# Altium PCB EDA-04211-V4_0_pcb.pcbdoc (part 4 of 12)
Units mm, origin at the board's own origin, x right, y up, seen from the top; angles counter-clockwise.
Board outline 304.8 x 128.5 mm, 14 copper layers (Top Layer, L2, L3GND, L4, L5GND, L6, L7GND, L8, L9GND, L10, L11GND, L12, L13GND, Bottom Layer), stack 4.06 mm thick; 143 components, 1224 nets, 5334 pads, 591 vias.
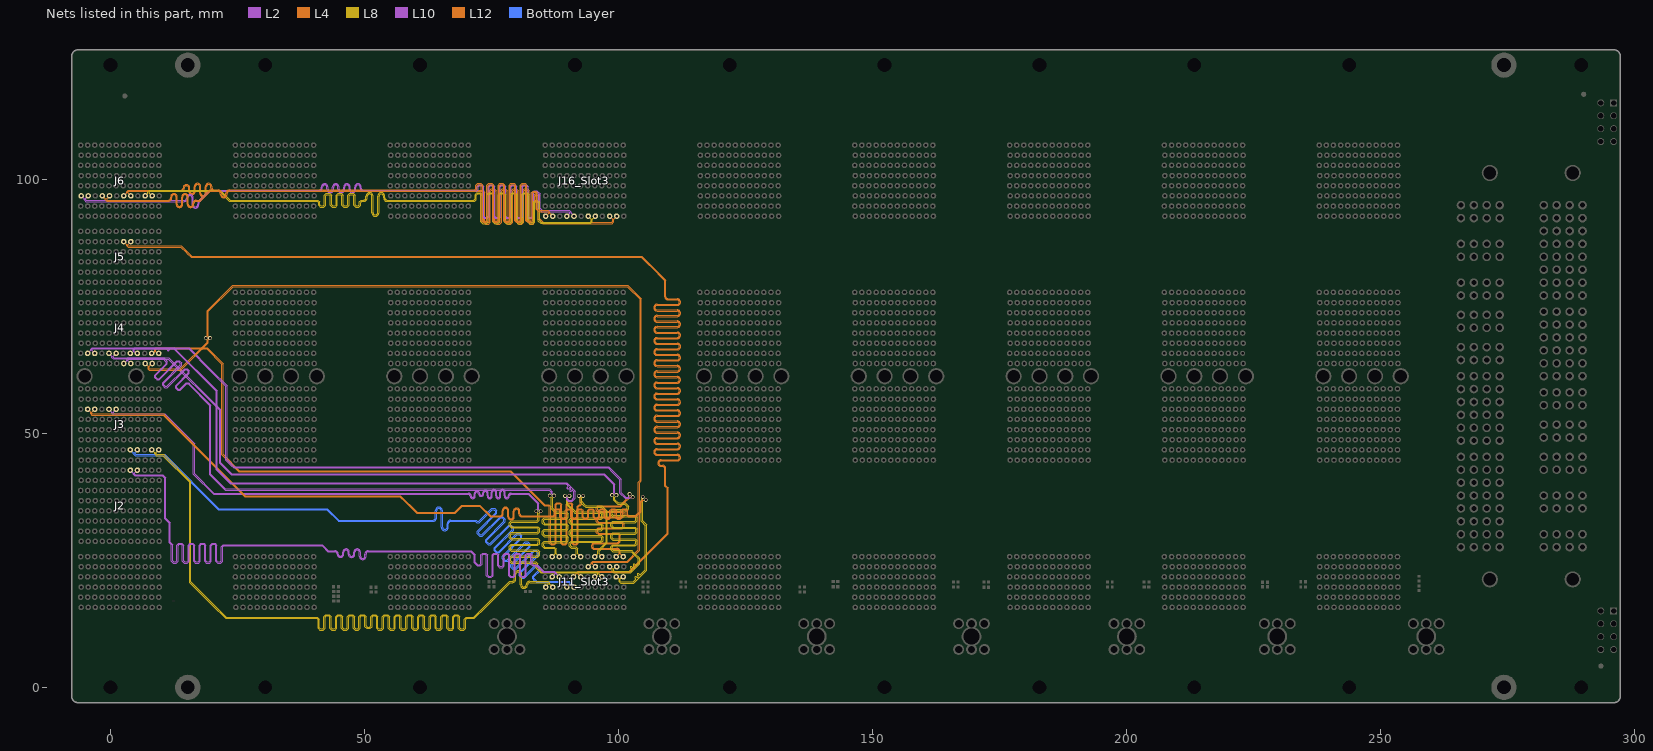
[diagram p16: the nets of this part, all layers, seen from the top]

## Via types
v1: diameter 0.75, hole 0.5, Top Layer to Bottom Layer, tented both sides, 549 vias
v2: diameter 0.85, hole 0.5, Top Layer to Bottom Layer, tented both sides, 32 vias
v3: diameter 1.3, hole 1, Top Layer to Bottom Layer, tented both sides, 10 vias

## Nets (pads, with @x,y where several pads share a name; then routed paths per layer and width w, separated by ;. In a path a pad name is that pad's centre, name@x,y a point inside that pad or via, vN(x,y) a via of type N, cw(c..) or ccw(c..) an arc to the next point about the centre after c; other vN are vias at no path point) (continued)
3_CLK_N: J5.H5 J11_Slot3.F4 | length 318
  L12 w0.102: J5.H5@4.02,87.75 3.434,87.164 3.434,87.031 3.564,86.902 13.96,86.902 15.99,84.872 104.636,84.872 109.342,80.166 109.342,77.1 109.342,76.934 ccw(c109.774,76.934) 109.774,76.502 111.585,76.502 cw(c111.585,75.841) 112.246,75.841 cw(c111.585,75.841) 111.585,75.18 107.6,75.18 ccw(c107.6,74.748) 107.168,74.748 ccw(c107.6,74.748) 107.6,74.316 111.585,74.316 cw(c111.585,73.655) 112.246,73.655 cw(c111.585,73.655) 111.585,72.994 107.6,72.994 ccw(c107.6,72.562) 107.168,72.562 ccw(c107.6,72.562) 107.6,72.13 111.585,72.13 cw(c111.585,71.469) 112.246,71.469 cw(c111.585,71.469) 111.585,70.808 107.6,70.808 ccw(c107.6,70.376) 107.168,70.376 ccw(c107.6,70.376) 107.6,69.944 111.585,69.944 cw(c111.585,69.283) 112.246,69.283 cw(c111.585,69.283) 111.585,68.622 107.6,68.622 ccw(c107.6,68.19) 107.168,68.19 ccw(c107.6,68.19) 107.6,67.758 111.585,67.758 cw(c111.585,67.097) 112.246,67.097 cw(c111.585,67.097) 111.585,66.436 107.6,66.436 ccw(c107.6,66.004) 107.168,66.004 ccw(c107.6,66.004) 107.6,65.572 111.585,65.572 cw(c111.585,64.911) 112.246,64.911 cw(c111.585,64.911) 111.585,64.25 107.6,64.25 ccw(c107.6,63.818) 107.168,63.818 ccw(c107.6,63.818) 107.6,63.386 111.585,63.386 cw(c111.585,62.725) 112.246,62.725 cw(c111.585,62.725) 111.585,62.064 107.6,62.064 ccw(c107.6,61.632) 107.168,61.632 ccw(c107.6,61.632) 107.6,61.2 111.585,61.2 cw(c111.585,60.539) 112.246,60.539 cw(c111.585,60.539) 111.585,59.878 107.6,59.878 ccw(c107.6,59.446) 107.168,59.446 ccw(c107.6,59.446) 107.6,59.014 111.585,59.014 cw(c111.585,58.353) 112.246,58.353 cw(c111.585,58.353) 111.585,57.692 107.6,57.692 ccw(c107.6,57.26) 107.168,57.26 ccw(c107.6,57.26) 107.6,56.828 111.585,56.828 cw(c111.585,56.167) 112.246,56.167 cw(c111.585,56.167) 111.585,55.506 107.6,55.506 ccw(c107.6,55.074) 107.168,55.074 ccw(c107.6,55.074) 107.6,54.642 111.585,54.642 cw(c111.585,53.981) 112.246,53.981 cw(c111.585,53.981) 111.585,53.32 107.6,53.32 ccw(c107.6,52.888) 107.168,52.888 ccw(c107.6,52.888) 107.6,52.456 111.585,52.456 cw(c111.585,51.795) 112.246,51.795 cw(c111.585,51.795) 111.585,51.134 107.6,51.134 ccw(c107.6,50.702) 107.168,50.702 ccw(c107.6,50.702) 107.6,50.27 111.585,50.27 cw(c111.585,49.609) 112.246,49.609 cw(c111.585,49.609) 111.585,48.948 107.6,48.948 ccw(c107.6,48.516) 107.168,48.516 ccw(c107.6,48.516) 107.6,48.084 111.585,48.084 cw(c111.585,47.423) 112.246,47.423 cw(c111.585,47.423) 111.585,46.762 107.6,46.762 ccw(c107.6,46.33) 107.168,46.33 ccw(c107.6,46.33) 107.6,45.898 111.585,45.898 cw(c111.585,45.237) 112.246,45.237 cw(c111.585,45.237) 111.585,44.576 108.409,44.576 ccw(c108.409,44.144) 107.977,44.144 ccw(c108.409,44.144) 108.409,43.712 108.681,43.712 cw(c108.681,43.051) 109.342,43.051 109.342,39.706 109.8,39.248 109.8,38.551 109.8,30.238 102.189,22.626 92.198,22.626 91.974,22.402 91.974,22.336 J11_Slot3.F4@92.56,21.75
3_CLK_P: J5.G5 J11_Slot3.E4 | length 318
  L12 w0.102: J5.G5@2.62,87.75 3.206,87.164 3.206,86.937 3.469,86.673 13.865,86.673 14.904,85.634 15.066,85.472 15.895,84.643 104.541,84.643 106.065,83.119 106.227,82.957 109.113,80.071 109.113,77.1 109.113,76.934 ccw(c109.774,76.934) 109.774,76.273 111.585,76.273 cw(c111.585,75.841) 112.017,75.841 cw(c111.585,75.841) 111.585,75.409 107.6,75.409 ccw(c107.6,74.748) 106.939,74.748 ccw(c107.6,74.748) 107.6,74.087 111.585,74.087 cw(c111.585,73.655) 112.017,73.655 cw(c111.585,73.655) 111.585,73.223 107.6,73.223 ccw(c107.6,72.562) 106.939,72.562 ccw(c107.6,72.562) 107.6,71.901 111.585,71.901 cw(c111.585,71.469) 112.017,71.469 cw(c111.585,71.469) 111.585,71.037 107.6,71.037 ccw(c107.6,70.376) 106.939,70.376 ccw(c107.6,70.376) 107.6,69.715 111.585,69.715 cw(c111.585,69.283) 112.017,69.283 cw(c111.585,69.283) 111.585,68.851 107.6,68.851 ccw(c107.6,68.19) 106.939,68.19 ccw(c107.6,68.19) 107.6,67.529 111.585,67.529 cw(c111.585,67.097) 112.017,67.097 cw(c111.585,67.097) 111.585,66.665 107.6,66.665 ccw(c107.6,66.004) 106.939,66.004 ccw(c107.6,66.004) 107.6,65.343 111.585,65.343 cw(c111.585,64.911) 112.017,64.911 cw(c111.585,64.911) 111.585,64.479 107.6,64.479 ccw(c107.6,63.818) 106.939,63.818 ccw(c107.6,63.818) 107.6,63.157 111.585,63.157 cw(c111.585,62.725) 112.017,62.725 cw(c111.585,62.725) 111.585,62.293 107.6,62.293 ccw(c107.6,61.632) 106.939,61.632 ccw(c107.6,61.632) 107.6,60.971 111.585,60.971 cw(c111.585,60.539) 112.017,60.539 cw(c111.585,60.539) 111.585,60.107 107.6,60.107 ccw(c107.6,59.446) 106.939,59.446 ccw(c107.6,59.446) 107.6,58.785 111.585,58.785 cw(c111.585,58.353) 112.017,58.353 cw(c111.585,58.353) 111.585,57.921 107.6,57.921 ccw(c107.6,57.26) 106.939,57.26 ccw(c107.6,57.26) 107.6,56.599 111.585,56.599 cw(c111.585,56.167) 112.017,56.167 cw(c111.585,56.167) 111.585,55.735 107.6,55.735 ccw(c107.6,55.074) 106.939,55.074 ccw(c107.6,55.074) 107.6,54.413 111.585,54.413 cw(c111.585,53.981) 112.017,53.981 cw(c111.585,53.981) 111.585,53.549 107.6,53.549 ccw(c107.6,52.888) 106.939,52.888 ccw(c107.6,52.888) 107.6,52.227 111.585,52.227 cw(c111.585,51.795) 112.017,51.795 cw(c111.585,51.795) 111.585,51.363 107.6,51.363 ccw(c107.6,50.702) 106.939,50.702 ccw(c107.6,50.702) 107.6,50.041 111.585,50.041 cw(c111.585,49.609) 112.017,49.609 cw(c111.585,49.609) 111.585,49.177 107.6,49.177 ccw(c107.6,48.516) 106.939,48.516 ccw(c107.6,48.516) 107.6,47.855 111.585,47.855 cw(c111.585,47.423) 112.017,47.423 cw(c111.585,47.423) 111.585,46.991 107.6,46.991 ccw(c107.6,46.33) 106.939,46.33 ccw(c107.6,46.33) 107.6,45.669 111.585,45.669 cw(c111.585,45.237) 112.017,45.237 cw(c111.585,45.237) 111.585,44.805 108.409,44.805 ccw(c108.409,44.144) 107.748,44.144 ccw(c108.409,44.144) 108.409,43.483 108.681,43.483 cw(c108.681,43.051) 109.113,43.051 109.113,39.612 109.571,39.154 109.571,38.551 109.571,30.333 102.094,22.855 92.103,22.855 91.746,22.497 91.746,22.336 J11_Slot3.E4@91.16,21.75
3_DIFF_0_N: J3.I2 J11_Slot3.E3 | length 173.6
  Bottom Layer w0.15: J3.I2@5.32,46.75 4.77,46.2 4.77,46.075 4.991,45.854 8.631,45.854 10.667,45.854 21.32,35.201 23.947,35.201 42.722,35.201 44.996,32.927 55.527,32.927 63.3,32.927 63.501,32.927 ccw(c63.501,33.383) 63.957,33.383 63.957,34.759 cw(c64.665,34.759) 65.373,34.759 65.373,31.558 ccw(c65.829,31.558) 66.285,31.558 66.285,32.219 cw(c66.993,32.219) 66.993,32.927 67.926,32.927 71.899,32.927 71.973,32.853 72.064,32.762 72.17,32.657 72.492,32.657 75.081,35.245 75.612,35.245 76.082,34.775 76.082,34.244 72.483,30.645 72.483,30.323 72.806,30 73.128,30 76.727,33.599 77.258,33.599 77.728,33.129 77.728,32.598 74.129,28.999 74.129,28.677 74.452,28.354 74.774,28.354 78.373,31.953 78.904,31.953 79.374,31.483 79.374,30.952 75.776,27.353 75.776,27.03 76.098,26.708 76.42,26.708 80.019,30.307 80.55,30.307 81.02,29.837 81.02,29.305 77.422,25.707 77.422,25.384 77.744,25.062 78.067,25.062 81.665,28.661 82.197,28.661 82.667,28.191 82.667,27.659 79.068,24.061 79.068,23.738 79.39,23.416 79.713,23.416 83.311,27.014 83.843,27.014 84.313,26.544 84.313,26.013 80.714,22.414 80.714,22.092 81.036,21.77 81.359,21.77 83.58,23.991 84.111,23.991 84.581,23.521 84.581,22.989 83.37,21.778 83.37,21.456 83.552,21.274 83.658,21.169 83.914,20.913 90.332,20.913 ; 90.359,20.886 90.72,20.525 90.72,20.29 J11_Slot3.E3@91.26,19.75
3_DIFF_0_P: J3.H2 J11_Slot3.D3 | length 173.7
  Bottom Layer w0.15: J3.H2@3.92,46.75 4.506,46.164 4.506,45.966 4.869,45.602 8.631,45.602 10.563,45.602 21.215,34.949 23.842,34.949 42.618,34.949 44.818,32.749 44.892,32.675 61.936,32.675 63.3,32.675 63.501,32.675 ccw(c63.501,33.383) 64.209,33.383 64.209,34.759 cw(c64.665,34.759) 65.121,34.759 65.121,31.558 ccw(c65.829,31.558) 66.537,31.558 66.537,32.219 cw(c66.993,32.219) 66.993,32.675 67.926,32.675 71.795,32.675 71.886,32.584 71.992,32.478 72.065,32.405 72.597,32.405 75.185,34.993 75.508,34.993 75.83,34.671 75.83,34.348 72.231,30.75 72.231,30.218 72.701,29.748 73.233,29.748 76.831,33.347 77.154,33.347 77.476,33.025 77.476,32.702 73.877,29.103 73.877,28.572 74.347,28.102 74.879,28.102 78.477,31.701 78.8,31.701 79.122,31.378 79.122,31.056 75.524,27.457 75.524,26.926 75.994,26.456 76.525,26.456 80.124,30.055 80.446,30.055 80.768,29.732 80.768,29.41 77.17,25.811 77.17,25.28 77.64,24.81 78.171,24.81 81.77,28.409 82.092,28.409 82.415,28.086 82.415,27.764 78.816,24.165 78.816,23.634 79.286,23.164 79.817,23.164 83.416,26.762 83.738,26.762 84.061,26.44 84.061,26.118 80.462,22.519 80.462,21.988 80.932,21.518 81.463,21.518 83.684,23.739 84.007,23.739 84.329,23.416 84.329,23.094 83.118,21.883 83.118,21.352 83.374,21.096 83.479,20.991 83.809,20.66 90.209,20.66 90.445,20.424 90.446,20.251 89.945,19.75 J11_Slot3.D3@89.86,19.75
3_DIFF_1_N: J3.L2 J11_Slot3.B3 | length 173.7
  L8 w0.12: J3.L2@9.52,46.75 8.963,46.193 8.963,46.094 9.169,45.888 9.951,45.888 10.454,45.888 15.86,40.482 15.86,20.742 20.279,16.323 22.768,13.833 38.315,13.833 40.759,13.833 41.138,13.455 41.138,11.768 41.358,11.547 41.799,11.547 42.02,11.768 42.02,13.94 42.398,14.318 43.063,14.318 43.442,13.94 43.442,11.768 43.662,11.547 44.103,11.547 44.324,11.768 44.324,13.94 44.702,14.318 45.367,14.318 45.746,13.94 45.746,11.768 45.966,11.547 46.407,11.547 46.628,11.768 46.628,13.94 47.006,14.318 47.671,14.318 48.05,13.94 48.05,11.768 48.27,11.547 48.711,11.547 48.932,11.768 48.932,13.94 49.31,14.318 49.975,14.318 50.354,13.94 50.354,12.087 50.574,11.867 51.015,11.867 51.236,12.087 51.236,13.94 51.615,14.318 52.279,14.318 52.658,13.94 52.658,11.768 52.878,11.547 53.319,11.547 53.54,11.768 53.54,13.94 53.919,14.318 54.583,14.318 54.962,13.94 54.962,11.768 55.182,11.547 55.623,11.547 55.844,11.768 55.844,13.94 56.223,14.318 56.887,14.318 57.266,13.94 57.266,11.768 57.486,11.547 57.927,11.547 58.148,11.768 58.148,13.94 58.527,14.318 59.191,14.318 59.57,13.94 59.57,11.768 59.79,11.547 60.231,11.547 60.452,11.768 60.452,13.94 60.831,14.318 61.495,14.318 61.874,13.94 61.874,11.768 62.094,11.547 62.535,11.547 62.756,11.768 62.756,13.94 63.135,14.318 63.799,14.318 64.178,13.94 64.178,11.768 64.398,11.547 64.839,11.547 65.06,11.768 65.06,13.94 65.439,14.318 66.103,14.318 66.482,13.94 66.482,11.768 66.702,11.547 67.143,11.547 67.364,11.768 67.364,13.94 67.743,14.318 68.407,14.318 68.786,13.94 68.786,11.768 69.006,11.547 69.447,11.547 69.668,11.768 69.668,13.455 70.047,13.833 70.297,13.833 71.526,13.833 73.589,15.897 78.587,20.895 78.904,20.895 79.099,20.895 ccw(c79.099,21.336) 79.54,21.336 79.54,22.234 cw(c80.251,22.234) 80.962,22.234 80.962,20.184 ccw(c81.403,20.184) 81.844,20.184 cw(c82.554,20.184) 82.554,20.895 83.828,20.895 84.761,20.895 86.207,20.895 86.495,20.607 86.495,20.315 J11_Slot3.B3@87.06,19.75
3_DIFF_1_P: J3.K2 J11_Slot3.A3 | length 173.7
  L8 w0.12: J3.K2@8.12,46.75 8.685,46.185 8.685,45.99 9.057,45.618 9.951,45.618 10.342,45.618 15.59,40.371 15.59,20.63 20.009,16.211 22.656,13.564 24.326,13.564 38.315,13.563 40.647,13.563 40.868,13.343 40.868,11.656 41.246,11.277 41.911,11.277 42.29,11.656 42.29,13.828 42.51,14.048 42.951,14.048 43.172,13.828 43.172,11.656 43.55,11.277 44.215,11.277 44.594,11.656 44.594,13.828 44.814,14.048 45.255,14.048 45.476,13.828 45.476,11.656 45.854,11.277 46.519,11.277 46.898,11.656 46.898,13.828 47.118,14.048 47.559,14.048 47.78,13.828 47.78,11.656 48.158,11.277 48.823,11.277 49.202,11.656 49.202,13.828 49.422,14.048 49.863,14.048 50.084,13.828 50.084,11.975 50.463,11.597 51.127,11.597 51.506,11.975 51.506,13.828 51.726,14.048 52.167,14.048 52.388,13.828 52.388,11.656 52.767,11.277 53.431,11.277 53.81,11.656 53.81,13.828 54.03,14.048 54.471,14.048 54.692,13.828 54.692,11.656 55.071,11.277 55.735,11.277 56.114,11.656 56.114,13.828 56.334,14.048 56.775,14.048 56.996,13.828 56.996,11.656 57.375,11.277 58.039,11.277 58.418,11.656 58.418,13.828 58.638,14.048 59.079,14.048 59.3,13.828 59.3,11.656 59.679,11.277 60.343,11.277 60.722,11.656 60.722,13.828 60.942,14.048 61.383,14.048 61.604,13.828 61.604,11.656 61.983,11.277 62.647,11.277 63.026,11.656 63.026,13.828 63.246,14.048 63.687,14.048 63.908,13.828 63.908,11.656 64.287,11.277 64.951,11.277 65.33,11.656 65.33,13.828 65.55,14.048 65.991,14.048 66.212,13.828 66.212,11.656 66.591,11.277 67.255,11.277 67.634,11.656 67.634,13.828 67.854,14.048 68.295,14.048 68.516,13.828 68.516,11.656 68.895,11.277 69.559,11.277 69.938,11.656 69.938,13.343 70.158,13.563 70.297,13.563 71.637,13.563 ; 71.637,13.564 73.859,15.785 78.698,20.625 78.904,20.625 79.099,20.625 ccw(c79.099,21.336) 79.81,21.336 79.81,22.234 cw(c80.251,22.234) 80.692,22.234 80.692,20.184 ccw(c81.403,20.184) 82.113,20.184 cw(c82.554,20.184) 82.554,20.625 83.828,20.625 84.761,20.625 86.095,20.625 86.225,20.495 86.225,20.315 J11_Slot3.A3@85.66,19.75
3_DIFF_2_N: J2.I8 J11_Slot3.C4 | length 173.7
  L2 w0.102: J2.I8@5.32,42.75 4.734,42.165 4.734,42.064 4.919,41.88 10.316,41.88 10.917,41.279 10.917,33.259 11.789,32.387 11.789,28.564 11.943,28.41 12.233,28.12 12.233,24.92 12.449,24.704 12.881,24.704 13.097,24.92 13.097,28.009 13.447,28.359 14.069,28.359 14.419,28.009 14.419,24.92 14.635,24.704 15.067,24.704 15.283,24.92 15.283,28.009 15.633,28.359 16.255,28.359 16.605,28.009 16.605,24.92 16.821,24.704 17.253,24.704 17.469,24.92 17.469,28.009 17.819,28.359 18.441,28.359 18.791,28.009 18.791,24.92 19.007,24.704 19.439,24.704 19.655,24.92 19.655,28.009 20.005,28.359 20.627,28.359 20.977,28.009 20.977,24.92 21.193,24.704 21.625,24.704 21.841,24.92 21.841,27.727 22.191,28.078 22.404,28.078 41.746,28.078 42.914,26.909 43.149,26.909 44.198,26.909 cw(c44.198,26.248) 44.859,26.248 ccw(c45.29,26.248) 45.29,25.816 ccw(c45.291,26.248) 45.722,26.248 45.722,26.59 cw(c46.383,26.59) 46.383,27.251 cw(c46.383,26.59) 47.044,26.59 47.044,26.223 ccw(c47.476,26.223) 47.476,25.791 ccw(c47.476,26.223) 47.908,26.223 47.908,26.59 cw(c48.569,26.59) 48.569,27.251 cw(c48.569,26.59) 49.23,26.59 49.23,25.809 ccw(c49.662,25.809) 49.662,25.377 ccw(c49.662,25.809) 50.094,25.809 50.094,26.248 cw(c50.755,26.248) 50.755,26.909 50.921,26.909 71.005,26.909 71.84,26.074 71.84,24.65 72.34,24.15 72.599,24.15 72.717,24.15 72.933,24.366 72.933,26.086 73.283,26.436 73.905,26.436 74.255,26.086 74.255,22.08 74.471,21.864 74.903,21.864 75.119,22.08 75.119,26.086 75.469,26.436 76.091,26.436 76.441,26.086 76.441,24.024 76.657,23.808 77.089,23.808 77.305,24.024 77.305,26.086 77.655,26.436 78.277,26.436 78.627,26.086 78.627,22.08 78.843,21.864 79.275,21.864 79.491,22.08 79.491,26.086 79.841,26.436 80.463,26.436 80.813,26.086 80.813,22.08 81.029,21.864 81.461,21.864 81.677,22.08 81.677,26.086 82.027,26.436 82.649,26.436 82.999,26.086 82.999,24.366 83.215,24.15 83.947,24.15 83.964,24.15 85.259,22.855 85.541,22.855 85.554,22.855 ccw(c85.66,23.75) 85.766,22.855 85.779,22.855 86.936,22.855 86.954,22.855 ccw(c87.06,23.75) 87.166,22.855 87.184,22.855 87.418,22.855 87.775,22.499 87.775,22.336 J11_Slot3.C4@88.36,21.75
3_DIFF_2_P: J2.H8 J11_Slot3.B4 | length 173.7
  L2 w0.102: J2.H8@3.92,42.75 4.506,42.165 4.506,41.969 4.824,41.651 10.221,41.651 10.536,41.336 10.688,41.184 10.688,33.164 11.56,32.292 11.56,28.469 11.84,28.189 12.004,28.025 12.004,24.825 12.354,24.475 12.976,24.475 13.326,24.825 13.326,27.914 13.542,28.13 13.974,28.13 14.19,27.914 14.19,24.825 14.54,24.475 15.162,24.475 15.512,24.825 15.512,27.914 15.728,28.13 16.16,28.13 16.376,27.914 16.376,24.825 16.726,24.475 17.348,24.475 17.698,24.825 17.698,27.914 17.914,28.13 18.346,28.13 18.562,27.914 18.562,24.825 18.912,24.475 19.534,24.475 19.884,24.825 19.884,27.914 20.1,28.13 20.532,28.13 20.748,27.914 20.748,24.825 21.098,24.475 21.72,24.475 22.07,24.825 22.07,27.633 22.286,27.849 22.404,27.849 41.651,27.849 42.819,26.68 43.149,26.68 44.198,26.68 cw(c44.198,26.248) 44.63,26.248 ccw(c45.29,26.248) 45.29,25.587 ccw(c45.291,26.248) 45.951,26.248 45.951,26.59 cw(c46.383,26.59) 46.383,27.022 cw(c46.383,26.59) 46.815,26.59 46.815,26.223 ccw(c47.476,26.223) 47.476,25.562 ccw(c47.476,26.223) 48.137,26.223 48.137,26.59 cw(c48.569,26.59) 48.569,27.022 cw(c48.569,26.59) 49.001,26.59 49.001,25.809 ccw(c49.662,25.809) 49.662,25.148 ccw(c49.662,25.809) 50.323,25.809 50.323,26.248 cw(c50.755,26.248) 50.755,26.68 50.921,26.68 70.91,26.68 71.611,25.979 71.611,24.555 72.245,23.921 72.599,23.921 72.812,23.921 73.162,24.271 73.162,25.991 73.378,26.207 73.81,26.207 74.026,25.991 74.026,21.985 74.376,21.635 74.998,21.635 75.348,21.985 75.348,25.991 75.564,26.207 75.996,26.207 76.212,25.991 76.212,23.929 76.562,23.579 77.184,23.579 77.534,23.929 77.534,25.991 77.75,26.207 78.182,26.207 78.398,25.991 78.398,21.985 78.748,21.635 79.37,21.635 79.72,21.985 79.72,25.991 79.936,26.207 80.368,26.207 80.584,25.991 80.584,21.985 80.934,21.635 81.556,21.635 81.906,21.985 81.906,25.991 82.122,26.207 82.554,26.207 82.77,25.991 82.77,24.271 83.12,23.921 83.869,23.921 83.947,23.843 85.164,22.626 85.541,22.626 ccw(c85.66,23.75) 85.779,22.626 86.941,22.626 ccw(c87.06,23.75) 87.179,22.626 87.323,22.626 87.545,22.404 87.545,22.336 J11_Slot3.B4@86.96,21.75
3_DIFF_3_N: J3.C6 J11_Slot3.L4 | length 171.6
  L4 w0.102: J3.C6@-3.08,54.75 -3.665,54.164 -3.665,53.914 -3.594,53.843 10.476,53.843 10.721,53.598 26.564,37.755 57.094,37.755 60.37,34.479 67.769,34.479 69.14,35.85 72.75,35.85 74.821,33.779 76.514,33.779 76.68,33.779 ccw(c76.68,34.211) 77.112,34.211 77.112,34.802 cw(c77.773,34.802) 77.773,35.463 cw(c77.773,34.802) 78.434,34.802 78.434,33.615 ccw(c78.866,33.615) 78.866,33.183 ccw(c78.866,33.615) 79.298,33.615 79.298,34.626 cw(c79.959,34.626) 79.959,35.287 cw(c79.959,34.626) 80.62,34.626 80.62,34.211 ccw(c81.052,34.211) 81.052,33.779 82.882,33.779 87.047,33.779 87.165,33.779 87.381,33.995 87.381,34.859 87.732,35.209 88.353,35.209 88.703,34.859 88.703,33.539 88.919,33.323 89.351,33.323 89.567,33.539 89.567,34.859 89.918,35.209 90.539,35.209 90.889,34.859 90.889,33.539 91.105,33.323 91.537,33.323 91.753,33.539 91.753,34.859 92.104,35.209 92.725,35.209 93.075,34.859 93.075,33.539 93.291,33.323 93.723,33.323 93.939,33.539 93.939,34.859 94.289,35.209 94.911,35.209 95.261,34.859 95.261,33.539 95.477,33.323 95.909,33.323 96.125,33.539 96.125,34.859 96.475,35.209 97.097,35.209 97.447,34.859 97.447,33.539 97.663,33.323 98.095,33.323 98.311,33.539 98.311,34.859 98.661,35.209 99.283,35.209 99.633,34.859 99.633,33.539 99.849,33.323 100.281,33.323 100.497,33.539 100.497,34.859 100.847,35.209 101.469,35.209 101.819,34.859 101.819,33.995 102.035,33.779 103.336,33.779 104.267,34.71 104.267,36.541 104.75,37.024 104.75,37.465 v1(104.778,37.493)
  L8 w0.12: J11_Slot3.L4@100.96,21.75 100.763,21.75 100.395,21.382 100.395,20.932 100.578,20.749 102.894,20.749 103.12,20.975 103.334,21.189 ccw(c103.202,21.321) 103.334,21.454 103.293,21.495 cw(c103.425,21.628) 103.293,21.76 cw(c103.425,21.628) 103.557,21.76 103.599,21.718 ccw(c103.731,21.85) 103.863,21.718 ccw(c103.731,21.85) 103.863,21.983 103.768,22.077 cw(c103.901,22.21) 103.768,22.342 cw(c103.901,22.21) 104.033,22.342 104.128,22.247 ccw(c104.26,22.379) 104.392,22.247 104.699,22.554 105.328,23.183 105.328,31.856 104.475,32.709 104.475,36.778 104.711,37.014 104.711,37.426 v1(104.778,37.493)
3_DIFF_3_P: J3.B6 J11_Slot3.K4 | length 171.6
  L4 w0.102: J3.B6@-4.48,54.75 -3.895,54.164 -3.895,53.819 -3.689,53.614 10.381,53.614 26.469,37.526 56.999,37.526 57.907,36.618 60.275,34.25 67.864,34.25 69.235,35.621 72.655,35.621 74.726,33.55 76.514,33.55 76.68,33.55 ccw(c76.68,34.211) 77.341,34.211 77.341,34.802 cw(c77.773,34.802) 77.773,35.234 cw(c77.773,34.802) 78.205,34.802 78.205,33.615 ccw(c78.866,33.615) 78.866,32.954 ccw(c78.866,33.615) 79.527,33.615 79.527,34.626 cw(c79.959,34.626) 79.959,35.058 cw(c79.959,34.626) 80.391,34.626 80.391,34.211 ccw(c81.052,34.211) 81.052,33.55 82.882,33.55 87.047,33.55 87.26,33.55 87.61,33.9 87.61,34.764 87.826,34.98 88.258,34.98 88.474,34.764 88.474,33.444 88.825,33.094 89.446,33.094 89.796,33.444 89.796,34.764 90.012,34.98 90.444,34.98 90.66,34.764 90.66,33.444 91.011,33.094 91.632,33.094 91.982,33.444 91.982,34.764 92.198,34.98 92.63,34.98 92.846,34.764 92.846,33.444 93.197,33.094 93.818,33.094 94.168,33.444 94.168,34.764 94.384,34.98 94.816,34.98 95.032,34.764 95.032,33.444 95.382,33.094 96.004,33.094 96.354,33.444 96.354,34.764 96.57,34.98 97.002,34.98 97.218,34.764 97.218,33.444 97.568,33.094 98.19,33.094 98.54,33.444 98.54,34.764 98.756,34.98 99.188,34.98 99.404,34.764 99.404,33.444 99.754,33.094 100.376,33.094 100.726,33.444 100.726,34.764 100.942,34.98 101.374,34.98 101.59,34.764 101.59,33.9 101.94,33.55 103.336,33.55 103.431,33.55 104.496,34.615 104.496,36.446 104.912,36.862 105.353,36.862 v1(105.38,36.89)
  L8 w0.12: J11_Slot3.K4@99.56,21.75 99.757,21.75 100.125,21.382 100.125,20.82 100.466,20.479 103.006,20.479 105.598,23.072 105.598,31.968 104.745,32.821 104.745,36.666 104.902,36.824 105.314,36.824 v1(105.38,36.89)
3_DIFF_4_N: J3.F6 J11_Slot3.I4 | length 173.3
  L8 w0.12: v1(84.678,34.656) 84.678,34.562 84.387,34.271 84.387,33.604 84.387,32.917 84.009,32.539 78.997,32.539 78.777,32.318 78.777,31.877 78.997,31.657 84.091,31.657 84.47,31.278 84.47,30.614 84.091,30.235 78.997,30.235 78.777,30.015 78.777,29.574 78.997,29.353 84.091,29.353 84.47,28.975 84.47,28.31 84.091,27.931 78.997,27.931 78.777,27.711 78.777,27.27 78.997,27.049 84.091,27.049 84.47,26.671 84.47,26.006 84.091,25.628 78.997,25.628 78.777,25.407 78.777,24.966 78.997,24.746 83.741,24.746 84.119,24.367 84.119,24.116 84.119,23.539 84.859,22.8 86.355,22.8 95.961,22.8 96.195,22.566 96.195,22.315 J11_Slot3.I4@96.76,21.75
  L10 w0.102: J3.F6@1.12,54.75 0.534,54.164 0.534,54.037 0.728,53.843 10.71,53.843 16.581,47.972 16.581,42.047 20.391,38.238 68.269,38.238 70.474,38.238 cw(c70.474,37.704) 71.008,37.704 ccw(c71.313,37.704) 71.313,37.399 ccw(c71.313,37.704) 71.618,37.704 71.618,38.123 cw(c72.152,38.123) 72.152,38.657 cw(c72.152,38.123) 72.686,38.123 ccw(c72.991,38.123) 72.991,37.818 ccw(c72.991,38.123) 73.296,38.123 73.296,38.263 cw(c73.83,38.263) 73.83,38.797 cw(c73.83,38.263) 74.364,38.263 74.364,37.676 ccw(c74.669,37.676) 74.669,37.371 ccw(c74.669,37.676) 74.974,37.676 74.974,38.416 cw(c75.508,38.416) 75.508,38.95 cw(c75.508,38.416) 76.042,38.416 76.042,37.676 ccw(c76.347,37.676) 76.347,37.371 ccw(c76.347,37.676) 76.652,37.676 76.652,38.416 cw(c77.186,38.416) 77.186,38.95 cw(c77.186,38.416) 77.72,38.416 77.72,37.676 ccw(c78.025,37.676) 78.025,37.371 ccw(c78.025,37.676) 78.33,37.676 78.33,37.704 cw(c78.864,37.704) 78.864,38.238 79.03,38.238 82.318,38.238 84.099,36.457 ; 84.099,36.457 84.367,36.189 84.367,35.007 84.678,34.695 v1(84.678,34.656)
3_DIFF_4_P: J3.E6 J11_Slot3.H4 | length 173.3
  L8 w0.12: v1(83.826,34.656) 83.826,34.562 84.117,34.271 84.117,33.604 84.117,33.029 83.897,32.809 78.885,32.809 78.507,32.43 78.507,31.765 78.885,31.387 83.979,31.387 84.2,31.166 84.2,30.725 83.979,30.505 78.885,30.505 78.507,30.126 78.507,29.462 78.885,29.083 83.979,29.083 84.2,28.863 84.2,28.422 83.979,28.201 78.885,28.201 78.507,27.823 78.507,27.158 78.885,26.78 83.979,26.78 84.2,26.559 84.2,26.118 83.979,25.898 78.885,25.898 78.507,25.519 78.507,24.854 78.885,24.476 83.629,24.476 83.85,24.255 83.85,24.116 83.85,23.427 84.747,22.53 86.355,22.53 95.849,22.53 95.925,22.454 95.925,22.315 J11_Slot3.H4@95.36,21.75
  L10 w0.102: J3.E6@-0.28,54.75 0.306,54.164 0.306,53.942 0.633,53.614 10.615,53.614 16.352,47.877 16.352,41.952 20.296,38.009 68.269,38.009 70.474,38.009 cw(c70.474,37.704) 70.779,37.704 ccw(c71.313,37.704) 71.313,37.17 ccw(c71.313,37.704) 71.847,37.704 71.847,38.123 cw(c72.152,38.123) 72.152,38.428 cw(c72.152,38.123) 72.457,38.123 ccw(c72.991,38.123) 72.991,37.589 ccw(c72.991,38.123) 73.525,38.123 73.525,38.263 cw(c73.83,38.263) 73.83,38.568 cw(c73.83,38.263) 74.135,38.263 74.135,37.676 ccw(c74.669,37.676) 74.669,37.142 ccw(c74.669,37.676) 75.203,37.676 75.203,38.416 cw(c75.508,38.416) 75.508,38.721 cw(c75.508,38.416) 75.813,38.416 75.813,37.676 ccw(c76.347,37.676) 76.347,37.142 ccw(c76.347,37.676) 76.881,37.676 76.881,38.416 cw(c77.186,38.416) 77.186,38.721 cw(c77.186,38.416) 77.491,38.416 77.491,37.676 ccw(c78.025,37.676) 78.025,37.142 ccw(c78.025,37.676) 78.559,37.676 78.559,37.704 cw(c78.864,37.704) 78.864,38.009 79.03,38.009 82.224,38.009 84.004,36.228 84.138,36.094 84.138,35.007 83.826,34.695 v1(83.826,34.656)
3_DIFF_5_N: J4.H1 J11_Slot3.K5 | length 173.3
  L8 w0.12: v1(98.761,37.848) 98.761,37.754 99.052,37.463 99.052,36.856 99.834,36.074 99.858,36.05 101.24,36.05 101.74,35.55 101.74,35.238 101.52,35.017 98.919,35.017 98.54,34.639 98.54,33.974 98.919,33.596 103.193,33.596 103.413,33.375 103.413,32.934 103.193,32.714 98.919,32.714 98.54,32.335 98.54,31.67 98.919,31.292 103.193,31.292 103.413,31.071 103.413,30.63 103.193,30.41 98.919,30.41 98.54,30.031 98.54,29.367 98.919,28.988 103.193,28.988 103.413,28.768 103.413,28.327 103.193,28.106 98.919,28.106 98.54,27.728 98.54,27.063 98.919,26.685 102.524,26.685 102.584,26.625 103.92,25.288 103.92,24.409 103.909,24.398 103.616,24.105 cw(c103.484,24.237) 103.351,24.105 103.231,24.225 ccw(c103.099,24.093) 102.967,24.225 ccw(c103.099,24.093) 102.967,23.961 103.087,23.84 cw(c102.955,23.708) 103.087,23.576 cw(c102.955,23.708) 102.823,23.576 102.661,23.738 ccw(c102.528,23.605) 102.396,23.738 ccw(c102.528,23.605) 102.396,23.473 102.558,23.311 cw(c102.426,23.179) 102.558,23.047 102.516,23.004 102.357,22.845 99.165,22.845 99.095,22.915 99.095,23.382 99.463,23.75 J11_Slot3.K5@99.66,23.75
  L10 w0.102: J4.H1@4.02,63.75 3.434,64.335 3.434,64.439 3.629,64.633 11.387,64.633 21.508,54.512 21.508,44.086 23.744,41.85 97.144,41.85 98.826,40.168 98.988,40.006 99.072,39.922 99.072,38.199 98.761,37.888 v1(98.761,37.848)
3_DIFF_5_P: J4.G1 J11_Slot3.J5 | length 173.3
  L8 w0.12: J11_Slot3.J5@98.26,23.75 98.457,23.75 98.825,23.382 98.825,22.804 99.053,22.575 102.468,22.575 104.19,24.297 104.19,25.4 102.965,26.625 102.636,26.954 99.03,26.954 98.81,27.175 98.81,27.616 99.03,27.836 103.305,27.836 103.683,28.215 103.683,28.88 103.305,29.258 99.03,29.258 98.81,29.479 98.81,29.92 99.03,30.14 103.305,30.14 103.683,30.519 103.683,31.183 103.305,31.562 99.03,31.562 98.81,31.782 98.81,32.223 99.03,32.444 103.305,32.444 103.683,32.822 103.683,33.487 103.305,33.865 99.03,33.865 98.81,34.086 98.81,34.527 99.03,34.747 101.632,34.747 102.01,35.126 102.01,35.661 101.598,36.074 101.352,36.32 99.97,36.32 99.322,36.968 99.322,37.463 99.613,37.754 v1(99.613,37.848)
  L10 w0.102: J4.G1@2.62,63.75 3.206,64.335 3.206,64.534 3.534,64.862 11.482,64.862 21.737,54.607 21.737,44.181 23.839,42.079 97.239,42.079 99.301,40.016 99.301,38.199 99.613,37.888 v1(99.613,37.848)
3_DIFF_6_N: J4.K1 J11_Slot3.H5 | length 170.9
  L4 w0.102: J4.K1@8.22,63.75 7.635,63.165 7.635,62.832 7.634,62.735 7.694,62.675 13.774,62.675 19.07,67.971 19.07,68.392 18.758,68.704 v1(18.758,68.743)
  L12 w0.102: v1(18.758,68.743) 18.758,68.762 19.07,69.073 19.07,74.103 24.1,79.134 101.856,79.134 104.529,76.461 104.529,40.695 104.16,40.327 104.16,26.973 101.794,24.607 95.03,24.607 94.875,24.452 94.875,24.335 J11_Slot3.H5@95.46,23.75
3_DIFF_6_P: J4.J1 J11_Slot3.G5 | length 170.9
  L4 w0.102: J4.J1@6.82,63.75 7.406,63.164 7.406,63.008 7.405,62.64 7.599,62.446 13.869,62.446 19.299,67.876 19.299,68.392 19.61,68.704 v1(19.61,68.743)
  L12 w0.102: v1(19.61,68.743) 19.61,68.762 19.299,69.073 19.299,74.009 24.195,78.905 101.761,78.905 104.3,76.367 104.3,40.79 103.931,40.422 103.931,27.068 101.7,24.837 94.935,24.837 94.646,24.547 94.646,24.336 J11_Slot3.G5@94.06,23.75
3_DIFF_7_N: J4.C2 J11_Slot3.F6 | length 171.2
  L2 w0.102: J4.C2@-3.08,65.75 -3.665,66.336 -3.665,66.433 -3.438,66.661 10.536,66.661 12.421,66.661 20.806,58.276 20.806,42.852 23.617,40.041 89.731,40.041 89.748,40.023 89.784,39.987 90.036,39.735 cw(c89.91,39.609) 90.036,39.484 89.928,39.376 ccw(c90.054,39.25) 89.928,39.124 ccw(c90.054,39.25) 90.18,39.124 90.288,39.232 cw(c90.413,39.106) 90.539,39.232 cw(c90.413,39.106) 90.539,38.98 90.432,38.873 ccw(c90.558,38.747) 90.432,38.621 ccw(c90.558,38.747) 90.683,38.621 90.791,38.728 cw(c90.917,38.603) 91.043,38.728 91.257,38.514 91.257,38.343 91.257,37.289 90.809,36.841 90.263,36.841 90.031,37.073 90.031,37.328 90.342,37.64 v1(90.342,37.679)
  L8 w0.12: v1(90.342,37.679) 90.342,37.585 90.051,37.294 90.051,36.039 91.471,34.619 91.531,34.559 96.651,34.559 97.029,34.181 97.029,33.516 96.651,33.137 90.809,33.137 90.589,32.917 90.589,32.476 90.809,32.256 96.651,32.256 97.029,31.877 97.029,31.212 96.651,30.834 90.809,30.834 90.589,30.613 90.589,30.172 90.809,29.952 96.651,29.952 97.029,29.573 97.029,28.909 96.651,28.53 90.809,28.53 90.589,28.31 90.589,27.869 90.809,27.648 91.616,27.648 91.995,27.27 91.995,26.844 91.995,26.315 ; 91.995,26.315 J11_Slot3.F6@92.56,25.75
3_DIFF_7_P: J4.B2 J11_Slot3.E6 | length 171.3
  L2 w0.102: J4.B2@-4.48,65.75 -3.895,66.336 -3.895,66.528 -3.533,66.89 12.516,66.89 21.035,58.371 21.035,42.947 23.712,40.27 89.825,40.27 91.486,38.609 91.486,37.194 90.904,36.612 90.169,36.612 89.802,36.978 89.802,37.328 89.49,37.64 v1(89.49,37.679)
  L8 w0.12: v1(89.49,37.679) 89.49,37.585 89.781,37.294 89.781,35.927 91.089,34.619 91.419,34.289 96.539,34.289 96.76,34.069 96.76,33.628 96.539,33.407 90.698,33.407 90.319,33.029 90.319,32.364 90.698,31.986 96.539,31.986 96.76,31.765 96.76,31.324 96.539,31.104 90.698,31.104 90.319,30.725 90.319,30.061 90.698,29.682 96.539,29.682 96.76,29.461 96.76,29.02 96.539,28.8 90.698,28.8 90.319,28.421 90.319,27.757 90.698,27.378 91.505,27.378 91.725,27.158 91.725,26.844 91.725,26.315 ; J11_Slot3.E6@91.16,25.75 91.725,26.315
3_DIFF_8_N: J4.F2 J11_Slot3.C6 | length 171.3
  L2 w0.102: J4.F2@1.12,65.75 0.534,65.165 0.534,65.026 0.652,64.909 10.456,64.909 10.995,64.369 11.146,64.219 11.215,64.149 11.215,63.654 8.953,61.393 8.953,61.087 9.259,60.782 9.564,60.782 13.084,64.302 13.579,64.302 14.019,63.862 14.019,63.367 10.499,59.847 10.499,59.541 10.804,59.236 11.11,59.236 14.63,62.756 15.125,62.756 15.565,62.316 15.565,61.821 13.068,59.324 13.068,59.019 13.373,58.713 13.679,58.713 14.917,59.952 15.413,59.952 15.496,59.868 15.563,59.801 19.792,55.572 19.792,41.935 22.651,39.076 86.444,39.076 87.008,38.512 87.008,38.106 87.32,37.794 v1(87.32,37.755)
  L8 w0.12: v1(87.32,37.755) 87.32,37.661 87.029,37.37 87.029,35.291 87.287,35.033 87.779,34.541 89.702,34.541 90.081,34.162 90.081,33.498 89.702,33.119 85.501,33.119 85.28,32.899 85.28,32.458 85.501,32.237 89.702,32.237 90.081,31.858 90.081,31.194 89.702,30.815 85.501,30.815 85.28,30.595 85.28,30.154 85.501,29.933 89.702,29.933 90.081,29.555 90.081,28.89 89.702,28.512 85.501,28.512 85.28,28.291 85.28,27.85 85.501,27.63 87.416,27.63 87.795,27.251 87.795,27 87.795,26.315 ; 87.795,26.315 J11_Slot3.C6@88.36,25.75
3_DIFF_8_P: J4.E2 J11_Slot3.B6 | length 171.3
  L2 w0.102: J4.E2@-0.28,65.75 0.306,65.165 0.306,64.931 0.557,64.679 10.361,64.679 10.833,64.207 10.984,64.057 10.986,64.055 10.986,63.749 8.724,61.487 8.724,60.992 9.1,60.616 9.164,60.553 9.659,60.553 13.179,64.073 13.484,64.073 13.79,63.767 13.79,63.462 10.27,59.942 10.27,59.446 10.71,59.007 11.205,59.007 14.725,62.527 15.03,62.527 15.336,62.221 15.336,61.916 12.839,59.419 12.839,58.924 13.278,58.484 13.773,58.484 15.012,59.723 15.318,59.723 15.401,59.639 19.563,55.477 19.563,41.84 22.557,38.847 85.213,38.847 86.349,38.847 86.779,38.417 86.779,38.106 86.468,37.794 v1(86.468,37.755)
  L8 w0.12: v1(86.468,37.755) 86.468,37.661 86.759,37.37 86.759,35.18 86.905,35.033 87.668,34.271 89.591,34.271 89.811,34.05 89.811,33.609 89.591,33.389 85.389,33.389 85.01,33.01 85.01,32.346 85.389,31.967 89.591,31.967 89.811,31.747 89.811,31.306 89.591,31.085 85.389,31.085 85.01,30.707 85.01,30.042 85.389,29.663 89.591,29.663 89.811,29.443 89.811,29.002 89.591,28.782 85.389,28.782 85.01,28.403 85.01,27.738 85.389,27.36 87.305,27.36 87.525,27.139 87.525,27 87.525,26.315 ; J11_Slot3.B6@86.96,25.75 87.525,26.315
3_DIFF_9_N: J4.I2 J11_Slot3.L6 | length 173.4
  L10 w0.102: J4.I2@5.32,65.75 5.059,65.75 4.735,66.074 4.735,66.414 4.929,66.609 10.62,66.609 11.027,66.609 cw(c11.027,66.431) 11.205,66.431 ccw(c11.383,66.431) 11.383,66.253 ccw(c11.383,66.431) 11.561,66.431 cw(c11.739,66.431) 11.739,66.609 12.22,66.609 15.438,66.609 19.476,62.571 22.753,59.294 22.753,44.721 23.836,43.638 24.258,43.216 97.954,43.216 98.72,42.45 100.291,40.879 100.291,38.255 101.325,37.221 102.085,37.221 102.209,37.346 102.692,37.346 v1(102.809,37.463)
  L12 w0.102: J11_Slot3.L6@100.96,25.75 100.374,26.335 100.374,26.56 100.374,26.725 ccw(c99.714,26.725) 99.714,27.386 95.335,27.386 cw(c95.335,27.818) 94.903,27.818 cw(c95.335,27.818) 95.335,28.25 99.714,28.25 ccw(c99.714,28.911) 100.374,28.911 100.374,29.683 100.374,29.765 100.374,29.978 100.024,30.328 96.107,30.328 95.891,30.544 95.891,30.976 96.107,31.192 100.774,31.192 101.124,31.542 101.124,32.164 100.774,32.514 96.107,32.514 95.891,32.73 95.891,33.162 96.107,33.378 100.774,33.378 101.124,33.728 101.124,34.35 100.774,34.7 96.107,34.7 95.891,34.916 95.891,35.348 96.107,35.564 100.434,35.564 101.175,36.305 102.32,37.45 102.796,37.45 v1(102.809,37.463)
3_DIFF_9_P: J4.H2 J11_Slot3.K6 | length 173.2
  L10 w0.102: J4.H2@3.92,65.75 4.181,65.75 4.506,66.074 4.506,66.509 4.835,66.838 15.533,66.838 19.8,62.571 22.982,59.389 22.982,44.816 24.16,43.638 24.353,43.445 98.049,43.445 99.044,42.45 100.52,40.974 100.52,38.35 101.42,37.45 101.99,37.45 102.064,37.524 102.064,37.922 v1(102.188,38.046)
  L12 w0.102: J11_Slot3.K6@99.56,25.75 100.145,26.335 100.145,26.56 100.146,26.725 ccw(c99.714,26.725) 99.714,27.157 95.335,27.157 cw(c95.335,27.818) 94.674,27.818 cw(c95.335,27.818) 95.335,28.479 99.714,28.479 ccw(c99.714,28.911) 100.146,28.911 100.146,29.683 100.145,29.765 100.146,29.883 99.93,30.099 96.012,30.099 95.662,30.449 95.662,31.071 96.012,31.421 100.679,31.421 100.895,31.637 100.895,32.069 100.679,32.285 96.012,32.285 95.662,32.635 95.662,33.257 96.012,33.607 100.679,33.607 100.895,33.823 100.895,34.255 100.679,34.471 96.012,34.471 95.662,34.821 95.662,35.443 96.012,35.793 100.339,35.793 100.956,36.41 102.158,37.612 102.158,38.016 v1(102.188,38.046)
3_DIFF_10_N: J4.L2 J11_Slot3.I6 | length 172.8
  L8 w0.12: v1(93.072,37.677) 93.072,37.583 92.781,37.292 92.781,36.59 93.292,36.079 93.292,36.075 93.648,35.72 96.752,35.72 97.84,34.632 97.84,28.442 96.195,26.797 96.195,26.698 96.195,26.315 J11_Slot3.I6@96.76,25.75
  L12 w0.102: J4.L2@9.52,65.75 9.259,65.75 8.934,66.074 8.934,66.481 9.087,66.634 18.943,66.634 21.966,63.612 21.966,45.781 25.309,42.438 78.739,42.438 85.434,35.742 86.058,35.742 86.212,35.742 86.428,35.526 86.428,28.378 86.778,28.028 87.4,28.028 87.75,28.378 87.75,35.906 87.966,36.122 88.398,36.122 88.614,35.906 88.614,28.378 88.964,28.028 89.586,28.028 89.936,28.378 89.936,35.906 90.152,36.122 90.584,36.122 90.8,35.906 90.8,28.378 91.15,28.028 91.772,28.028 92.122,28.378 92.122,35.526 92.338,35.742 92.456,35.742 92.761,36.047 92.761,36.45 92.761,36.963 92.761,37.326 93.072,37.638 v1(93.072,37.677)
3_DIFF_10_P: J4.K2 J11_Slot3.H6 | length 172.8
  L8 w0.12: v1(92.22,37.677) 92.22,37.583 92.511,37.292 92.511,36.479 93.022,35.968 93.022,35.963 93.536,35.45 96.64,35.45 97.57,34.52 97.57,28.554 95.925,26.909 95.925,26.698 95.925,26.315 J11_Slot3.H6@95.36,25.75
  L12 w0.102: J4.K2@8.12,65.75 8.381,65.75 8.705,66.074 8.705,66.576 8.993,66.863 19.038,66.863 22.195,63.707 22.195,45.875 25.403,42.667 78.833,42.667 85.529,35.971 86.058,35.971 86.307,35.971 86.657,35.621 86.657,28.473 86.873,28.257 87.305,28.257 87.521,28.473 87.521,36.001 87.871,36.351 88.493,36.351 88.843,36.001 88.843,28.473 89.059,28.257 89.491,28.257 89.707,28.473 89.707,36.001 90.057,36.351 90.679,36.351 91.029,36.001 91.029,28.473 91.245,28.257 91.677,28.257 91.893,28.473 91.893,35.621 92.243,35.971 92.361,35.971 92.456,36.066 92.532,36.142 92.532,37.058 92.532,37.326 92.22,37.638 v1(92.22,37.677)
3_DIFF_11_N: J6.B3 J16_Slot3.E1 | length 173.7
  L10 w0.102: J6.B3@-4.38,96.75 -4.965,96.165 -4.965,96.092 -4.742,95.868 12.151,95.868 12.269,95.868 14.549,95.868 ccw(c14.549,96.3) 14.981,96.3 14.981,96.339 cw(c15.642,96.339) 16.303,96.339 16.303,95.003 ccw(c16.735,95.003) 17.167,95.003 17.167,95.138 cw(c18.215,95.138) 17.473,95.877 cw(c18.216,95.139) 17.475,95.878 17.721,96.125 19.446,97.849 40.918,97.849 41.084,97.849 ccw(c41.084,98.281) 41.516,98.281 41.516,98.468 cw(c42.177,98.468) 42.177,99.129 cw(c42.177,98.468) 42.838,98.468 42.838,98.036 ccw(c43.27,98.036) 43.27,97.604 ccw(c43.27,98.036) 43.702,98.036 43.702,98.468 cw(c44.363,98.468) 44.363,99.129 cw(c44.363,98.468) 45.024,98.468 45.024,98.036 ccw(c45.456,98.036) 45.456,97.604 ccw(c45.456,98.036) 45.888,98.036 45.888,98.468 cw(c46.549,98.468) 46.549,99.129 cw(c46.549,98.468) 47.21,98.468 47.21,98.036 ccw(c47.642,98.036) 47.642,97.604 ccw(c47.642,98.036) 48.074,98.036 48.074,98.468 cw(c48.735,98.468) 48.735,99.129 cw(c48.735,98.468) 49.396,98.468 49.396,98.281 ccw(c49.828,98.281) 49.828,97.849 50.92,97.849 70.968,97.849 71.937,97.849 72.153,98.065 72.153,98.595 72.503,98.945 73.124,98.945 73.475,98.595 73.475,92.749 73.691,92.533 74.123,92.533 74.339,92.749 74.339,98.595 74.689,98.945 75.31,98.945 75.661,98.595 75.661,92.749 75.877,92.533 76.309,92.533 76.525,92.749 76.525,98.595 76.875,98.945 77.496,98.945 77.847,98.595 77.847,92.749 78.063,92.533 78.495,92.533 78.711,92.749 78.711,98.595 79.061,98.945 79.682,98.945 80.033,98.595 80.033,92.749 80.249,92.533 80.681,92.533 80.897,92.749 80.897,98.595 81.247,98.945 81.868,98.945 82.219,98.595 82.219,92.749 82.435,92.533 82.867,92.533 83.083,92.749 83.083,97.436 83.433,97.786 83.928,97.786 84.046,97.668 84.569,97.145 84.569,94.35 85.02,93.899 90.288,93.899 90.674,93.513 90.674,93.336 J16_Slot3.E1@91.26,92.75
3_DIFF_11_P: J6.A3 J16_Slot3.D1 | length 173.7
  L10 w0.102: J6.A3@-5.78,96.75 -5.195,96.165 -5.195,95.997 -4.837,95.639 12.151,95.639 12.269,95.639 14.549,95.639 ccw(c14.549,96.3) 15.21,96.3 15.21,96.339 cw(c15.642,96.339) 16.074,96.339 16.074,95.003 ccw(c16.735,95.003) 17.396,95.003 17.396,95.138 cw(c18.215,95.138) 17.635,95.715 ; 17.636,95.716 17.721,95.801 19.54,97.621 40.918,97.621 41.084,97.621 ccw(c41.084,98.281) 41.745,98.281 41.745,98.468 cw(c42.177,98.468) 42.177,98.9 cw(c42.177,98.468) 42.609,98.468 42.609,98.036 ccw(c43.27,98.036) 43.27,97.375 ccw(c43.27,98.036) 43.931,98.036 43.931,98.468 cw(c44.363,98.468) 44.363,98.9 cw(c44.363,98.468) 44.795,98.468 44.795,98.036 ccw(c45.456,98.036) 45.456,97.375 ccw(c45.456,98.036) 46.117,98.036 46.117,98.468 cw(c46.549,98.468) 46.549,98.9 cw(c46.549,98.468) 46.981,98.468 46.981,98.036 ccw(c47.642,98.036) 47.642,97.375 ccw(c47.642,98.036) 48.303,98.036 48.303,98.468 cw(c48.735,98.468) 48.735,98.9 cw(c48.735,98.468) 49.167,98.468 49.167,98.281 ccw(c49.828,98.281) 49.828,97.621 50.92,97.621 70.968,97.621 72.031,97.621 72.382,97.971 72.382,98.5 72.598,98.716 73.03,98.716 73.246,98.5 73.246,92.655 73.596,92.304 74.217,92.304 74.568,92.655 74.568,98.5 74.784,98.716 75.216,98.716 75.432,98.5 75.432,92.655 75.782,92.304 76.403,92.304 76.754,92.655 76.754,98.5 76.97,98.716 77.402,98.716 77.618,98.5 77.618,92.655 77.968,92.304 78.589,92.304 78.94,92.655 78.94,98.5 79.156,98.716 79.588,98.716 79.804,98.5 79.804,92.655 80.154,92.304 80.775,92.304 81.126,92.655 81.126,98.5 81.342,98.716 81.774,98.716 81.99,98.5 81.99,92.655 82.34,92.304 82.961,92.304 83.312,92.655 83.312,97.341 83.528,97.557 83.833,97.557 84.046,97.344 84.34,97.05 84.34,94.256 84.925,93.67 85.105,93.67 90.193,93.67 90.446,93.418 90.446,93.336 J16_Slot3.D1@89.86,92.75
3_DIFF_12_N: J6.E3 J16_Slot3.B1 | length 173.7
  L4 w0.102: J6.E3@-0.18,96.75 -0.766,96.165 -0.766,96.053 -0.618,95.906 11.239,95.906 11.404,95.906 ccw(c11.404,96.338) 11.836,96.338 11.836,96.528 cw(c12.497,96.528) 13.158,96.528 13.158,95.111 ccw(c13.59,95.111) 14.022,95.111 14.022,96.528 cw(c14.683,96.528) 15.344,96.528 15.344,95.111 ccw(c15.776,95.111) 16.208,95.111 16.208,95.245 cw(c16.869,95.245) 16.869,95.906 17.549,95.906 17.63,95.986 19.556,97.912 19.755,97.912 21.213,97.912 cw(c21.213,97.251) 21.874,97.251 21.874,97.041 ccw(c22.306,97.041) 22.738,97.041 22.738,97.251 cw(c23.399,97.251) 23.399,97.912 23.564,97.912 71.329,97.912 71.542,97.912 71.721,97.912 71.937,98.128 71.937,98.84 72.287,99.19 72.908,99.19 73.259,98.84 73.259,91.957 73.475,91.741 73.907,91.741 74.123,91.957 74.123,98.84 74.473,99.19 75.094,99.19 75.445,98.84 75.445,91.957 75.661,91.741 76.093,91.741 76.309,91.957 76.309,98.84 76.659,99.19 77.28,99.19 77.631,98.84 77.631,91.957 77.847,91.741 78.279,91.741 78.495,91.957 78.495,98.84 78.845,99.19 79.466,99.19 79.817,98.84 79.817,91.957 80.033,91.741 80.465,91.741 80.681,91.957 80.681,98.84 81.031,99.19 81.652,99.19 82.003,98.84 82.003,91.957 82.219,91.741 82.651,91.741 82.867,91.957 82.867,97.352 83.217,97.702 83.712,97.702 83.83,97.584 84.069,97.345 84.069,94.221 84.391,93.899 86.123,93.899 86.475,93.547 86.475,93.336 J16_Slot3.B1@87.06,92.75
3_DIFF_12_P: J6.D3 J16_Slot3.A1 | length 173.7
  L4 w0.102: J6.D3@-1.58,96.75 -0.994,96.165 -0.994,95.958 -0.713,95.677 11.239,95.677 11.404,95.677 ccw(c11.404,96.338) 12.065,96.338 12.065,96.528 cw(c12.497,96.528) 12.929,96.528 12.929,95.111 ccw(c13.59,95.111) 14.251,95.111 14.251,96.528 cw(c14.683,96.528) 15.115,96.528 15.115,95.111 ccw(c15.776,95.111) 16.437,95.111 16.437,95.245 cw(c16.869,95.245) 16.869,95.677 17.63,95.677 17.644,95.677 19.651,97.683 19.755,97.683 21.213,97.683 cw(c21.213,97.251) 21.645,97.251 21.645,97.041 ccw(c22.306,97.041) 22.967,97.041 22.967,97.251 cw(c23.399,97.251) 23.399,97.683 23.564,97.683 71.329,97.683 71.542,97.683 71.815,97.683 72.166,98.033 72.166,98.745 72.382,98.961 72.814,98.961 73.03,98.745 73.03,91.862 73.38,91.512 74.001,91.512 74.352,91.862 74.352,98.745 74.568,98.961 75,98.961 75.216,98.745 75.216,91.862 75.566,91.512 76.187,91.512 76.538,91.862 76.538,98.745 76.754,98.961 77.186,98.961 77.402,98.745 77.402,91.862 77.752,91.512 78.373,91.512 78.724,91.862 78.724,98.745 78.94,98.961 79.372,98.961 79.588,98.745 79.588,91.862 79.938,91.512 80.559,91.512 80.91,91.862 80.91,98.745 81.126,98.961 81.558,98.961 81.774,98.745 81.774,91.862 82.124,91.512 82.745,91.512 83.096,91.862 83.096,97.257 83.312,97.473 83.617,97.473 83.83,97.26 83.84,97.25 83.84,94.126 84.296,93.67 86.028,93.67 86.245,93.452 86.245,93.336 J16_Slot3.A1@85.66,92.75
3_DIFF_13_N: J6.H3 J16_Slot3.K1 | length 173.7
  L12 w0.102: J6.H3@4.02,96.75 3.434,97.336 3.434,97.418 3.649,97.632 12.369,97.632 13.873,97.632 ccw(c13.873,98.293) 14.534,98.293 cw(c14.966,98.294) 15.398,98.294 15.398,97.634 ccw(c16.059,97.634) 16.72,97.634 16.72,98.545 cw(c17.152,98.545) 17.584,98.545 17.584,97.252 ccw(c18.245,97.252) 18.906,97.252 18.906,98.545 cw(c19.338,98.545) 19.77,98.545 19.77,98.293 ccw(c20.431,98.293) 20.431,97.632 21.69,97.632 71.279,97.632 73.272,97.633 73.488,97.417 73.488,91.544 73.838,91.194 74.46,91.194 74.81,91.544 74.81,97.672 75.026,97.888 75.458,97.888 75.674,97.672 75.674,91.544 76.024,91.194 76.646,91.194 76.996,91.544 76.996,97.672 77.212,97.888 77.644,97.888 77.86,97.672 77.86,91.544 78.21,91.194 78.832,91.194 79.182,91.544 79.182,97.672 79.398,97.888 79.83,97.888 80.046,97.672 80.046,91.544 80.396,91.194 81.018,91.194 81.368,91.544 81.368,97.672 81.584,97.888 82.016,97.888 82.232,97.672 82.232,91.544 82.582,91.194 83.204,91.194 83.554,91.544 83.554,96.699 83.77,96.915 84.075,96.915 84.237,96.753 84.237,92.153 84.288,92.102 84.54,91.85 85.108,91.283 85.53,91.283 98.746,91.282 99.074,91.611 99.075,92.165 J16_Slot3.K1@99.66,92.75
3_DIFF_13_P: J6.G3 J16_Slot3.J1 | length 173.7
  L12 w0.102: J6.G3@2.62,96.75 3.206,97.336 3.206,97.513 3.554,97.862 12.369,97.862 13.873,97.862 ccw(c13.873,98.293) 14.305,98.293 cw(c14.966,98.294) 15.627,98.294 15.627,97.634 ccw(c16.059,97.634) 16.491,97.634 16.491,98.545 cw(c17.152,98.545) 17.813,98.545 17.813,97.252 ccw(c18.245,97.252) 18.677,97.252 18.677,98.545 cw(c19.338,98.545) 19.999,98.545 19.999,98.293 ccw(c20.431,98.293) 20.431,97.862 21.69,97.862 71.279,97.862 73.367,97.862 73.717,97.511 73.717,91.639 73.933,91.423 74.365,91.423 74.581,91.639 74.581,97.767 74.931,98.117 75.553,98.117 75.903,97.767 75.903,91.639 76.119,91.423 76.551,91.423 76.767,91.639 76.767,97.767 77.117,98.117 77.739,98.117 78.089,97.767 78.089,91.639 78.305,91.423 78.737,91.423 78.953,91.639 78.953,97.767 79.303,98.117 79.925,98.117 80.275,97.767 80.275,91.639 80.491,91.423 80.923,91.423 81.139,91.639 81.139,97.767 81.489,98.117 82.111,98.117 82.461,97.767 82.461,91.639 82.677,91.423 83.109,91.423 83.325,91.639 83.325,96.793 83.675,97.144 84.17,97.144 84.288,97.025 84.466,96.848 84.466,96.658 84.466,92.248 84.702,92.012 84.864,91.85 85.202,91.512 98.652,91.512 98.845,91.705 98.845,92.164 J16_Slot3.J1@98.26,92.75
3_DIFF_14_N: J6.K3 J16_Slot3.H1 | length 173.7
  L8 w0.12: J6.K3@8.22,96.75 7.655,97.315 7.655,97.444 7.823,97.612 21.478,97.612 23.434,95.656 39.487,95.656 40.748,95.656 40.968,95.436 40.968,94.868 41.347,94.49 42.011,94.49 42.39,94.868 42.39,96.792 42.611,97.013 43.052,97.013 43.272,96.792 43.272,94.868 43.651,94.49 44.315,94.49 44.694,94.868 44.694,96.792 44.915,97.013 45.356,97.013 45.576,96.792 45.576,94.868 45.955,94.49 46.619,94.49 46.998,94.868 46.998,96.792 47.219,97.013 47.66,97.013 47.88,96.792 47.88,94.868 48.259,94.49 48.923,94.49 49.302,94.868 49.302,95.436 49.523,95.656 49.662,95.656 49.667,95.656 49.862,95.656 ccw(c49.862,96.367) 50.573,96.367 50.573,96.679 cw(c51.014,96.679) 51.455,96.679 51.455,93.426 ccw(c52.166,93.426) 52.877,93.426 52.877,96.671 cw(c53.318,96.671) 53.759,96.671 53.759,96.367 ccw(c54.47,96.367) 54.47,95.656 55.455,95.656 71.34,95.656 ; 71.34,95.656 71.675,95.656 72.053,96.035 72.053,96.9 72.274,97.121 72.715,97.121 72.935,96.9 72.935,91.619 73.314,91.241 73.978,91.241 74.357,91.619 74.357,96.9 74.578,97.121 75.019,97.121 75.239,96.9 75.239,91.619 75.618,91.241 76.282,91.241 76.661,91.619 76.661,96.9 76.881,97.121 77.322,97.121 77.543,96.9 77.543,91.619 77.921,91.241 78.586,91.241 78.964,91.619 78.964,96.9 79.185,97.121 79.626,97.121 79.846,96.9 79.846,91.619 80.225,91.241 80.889,91.241 81.268,91.619 81.268,96.9 81.489,97.121 81.93,97.121 82.15,96.9 82.15,91.619 82.529,91.241 83.193,91.241 83.572,91.619 83.572,95.436 83.792,95.656 83.931,95.656 83.934,95.656 84.243,95.347 84.243,91.795 84.725,91.313 84.824,91.313 94.539,91.313 94.895,91.669 94.895,92.185 J16_Slot3.H1@95.46,92.75
3_DIFF_14_P: J6.J3 J16_Slot3.G1 | length 173.7
  L8 w0.12: J6.J3@6.82,96.75 7.385,97.315 7.385,97.556 7.711,97.882 21.59,97.882 23.546,95.926 39.487,95.926 40.859,95.926 41.238,95.548 41.238,94.98 41.459,94.76 41.9,94.76 42.12,94.98 42.12,96.904 42.499,97.283 43.163,97.283 43.542,96.904 43.542,94.98 43.763,94.76 44.204,94.76 44.424,94.98 44.424,96.904 44.803,97.283 45.467,97.283 45.846,96.904 45.846,94.98 46.067,94.76 46.508,94.76 46.728,94.98 46.728,96.904 47.107,97.283 47.771,97.283 48.15,96.904 48.15,94.98 48.371,94.76 48.812,94.76 49.032,94.98 49.032,95.548 49.411,95.926 49.662,95.926 49.667,95.926 49.862,95.926 ccw(c49.862,96.367) 50.303,96.367 50.303,96.679 cw(c51.014,96.679) 51.725,96.679 51.725,93.426 ccw(c52.166,93.426) 52.607,93.426 52.607,96.671 cw(c53.318,96.671) 54.029,96.671 54.029,96.367 ccw(c54.47,96.367) 54.47,95.926 55.455,95.926 71.34,95.926 ; 71.34,95.926 71.563,95.926 71.784,96.147 71.784,97.012 72.162,97.39 72.827,97.39 73.205,97.012 73.205,91.731 73.426,91.511 73.867,91.511 74.087,91.731 74.087,97.012 74.466,97.39 75.13,97.39 75.509,97.012 75.509,91.731 75.729,91.511 76.17,91.511 76.391,91.731 76.391,97.012 76.769,97.39 77.434,97.39 77.813,97.012 77.813,91.731 78.033,91.511 78.474,91.511 78.695,91.731 78.695,97.012 79.073,97.39 79.738,97.39 80.116,97.012 80.116,91.731 80.337,91.511 80.778,91.511 80.998,91.731 80.998,97.012 81.377,97.39 82.041,97.39 82.42,97.012 82.42,91.731 82.64,91.511 83.081,91.511 83.302,91.731 83.302,95.548 83.68,95.926 83.931,95.926 84.045,95.926 84.513,95.459 84.513,91.906 84.836,91.583 84.936,91.583 94.427,91.583 94.625,91.781 94.625,92.185 J16_Slot3.G1@94.06,92.75